# Altium PCB HV_DAC_8ch-DIOT.PCBDOC (part 9 of 11) (continued)
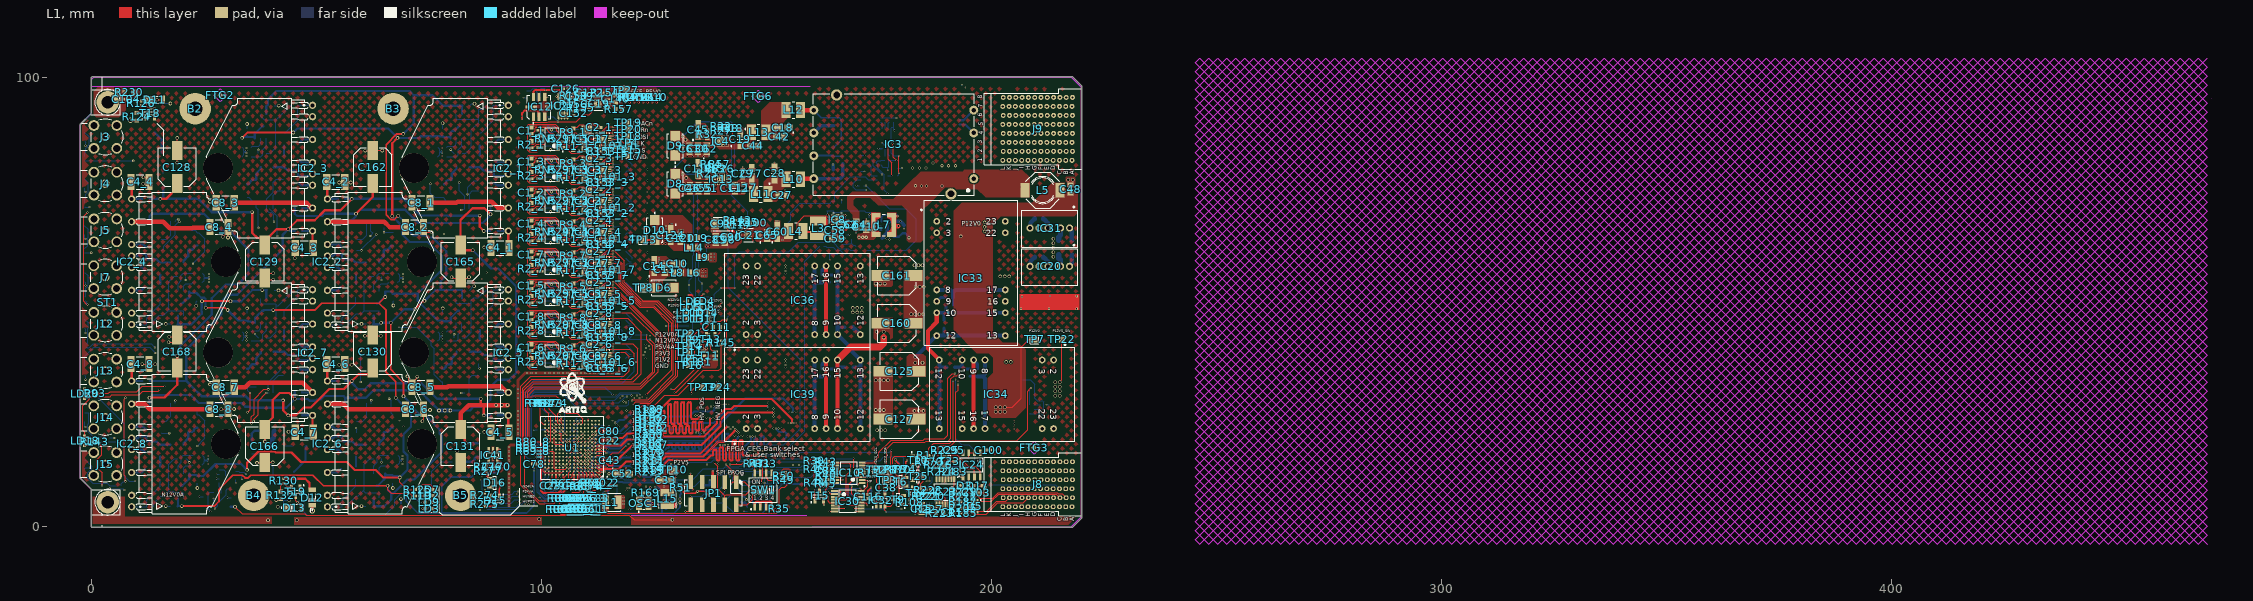
[diagram p0: L1 view]
## Nets (pads, with @x,y where several pads share a name; then routed paths per layer and width w, separated by ;. In a path a pad name is that pad's centre, name@x,y a point inside that pad or via, vN(x,y) a via of type N, cw(c..) or ccw(c..) an arc to the next point about the centre after c; other vN are vias at no path point) (continued)
  L8 w0.127: IC1_4.3@20.47,52.36 20.47,53.665 20.875,54.07 22.296,54.07 R73_4.2@22.576,54.35
NetIC1_4_6: IC1_4.6 R34_4.2 R62_4.1 | length 18.5
  L8 w0.127: R62_4.1@13.8,45 13.8,45.805 15.053,47.057 16.017,47.057 17.07,48.11 ; R34_4.2@19.147,55.7 18.342,55.7 17.123,54.481 17.123,48.163 17.07,48.11 ; IC1_4.6@20.47,46.96 20.47,48.035 20.396,48.11 17.07,48.11
NetIC1_5_2: IC1_5.2 R34_5.1 R58_5.2 | length 6.8
  L8 w0.127: R58_5.2@78.924,41.352 81.124,41.352 81.539,41.767 81.539,42.882 82.303,43.646 R34_5.1@82.353,43.646 82.3,43.699 IC1_5.2@82.3,45.386
NetIC1_5_3: IC1_5.3 R73_5.2 R113_5.2 | length 3.7
  L8 w0.127: R73_5.2@78.924,43.396 79.204,43.676 80.625,43.676 80.973,44.024 80.973,44.249 81.03,44.306 IC1_5.3@81.03,45.386
NetIC1_5_6: IC1_5.6 R34_5.2 R62_5.1 | length 18.5
  L8 w0.127: IC1_5.6@81.03,50.786 81.03,49.706 84.377,49.706 ; R34_5.2@82.353,42.046 83.158,42.046 84.377,43.265 84.377,49.706 ; R62_5.1@87.7,52.746 87.7,52.671 87.338,52.309 87.263,52.309 85.962,51.008 84.882,51.008 84.377,50.503 84.377,49.706
NetIC1_6_2: IC1_6.2 R34_6.1 R58_6.2 | length 6.8
  L8 w0.127: IC1_6.2@62.7,11.86 62.7,13.547 R34_6.1@62.647,13.6 62.697,13.6 63.461,14.363 63.461,15.479 63.876,15.894 R58_6.2@66.076,15.894
NetIC1_6_3: IC1_6.3 R73_6.2 R113_6.2 | length 3.7
  L8 w0.127: IC1_6.3@63.97,11.86 63.97,13.165 64.375,13.57 65.796,13.57 R73_6.2@66.076,13.85
NetIC1_6_6: IC1_6.6 R34_6.2 R62_6.1 | length 18.5
  L8 w0.127: R62_6.1@57.3,4.5 57.3,5.305 58.848,6.853 59.194,6.853 60.383,8.042 ; R34_6.2@62.647,15.2 61.842,15.2 60.623,13.981 60.623,8.282 60.383,8.042 ; IC1_6.6@63.97,6.46 63.97,7.535 63.896,7.61 60.816,7.61 60.383,8.042
NetIC1_7_2: IC1_7.2 R34_7.1 R58_7.2 | length 6.8
  L8 w0.127: R58_7.2@35.424,41.352 37.624,41.352 38.039,41.767 38.039,42.882 38.803,43.646 R34_7.1@38.853,43.646 38.8,43.699 IC1_7.2@38.8,45.386
NetIC1_7_3: IC1_7.3 R73_7.2 R113_7.2 | length 3.7
  L8 w0.127: R73_7.2@35.424,43.396 35.704,43.676 37.125,43.676 37.473,44.024 37.473,44.249 37.53,44.306 IC1_7.3@37.53,45.386
NetIC1_7_6: IC1_7.6 R34_7.2 R62_7.1 | length 18.5
  L8 w0.127: IC1_7.6@37.53,50.786 37.53,49.734 37.604,49.66 40.756,49.66 41.017,49.399 41.017,49.173 ; R34_7.2@38.853,42.046 39.658,42.046 41.017,43.405 41.017,49.173 ; R62_7.1@44.2,52.746 44.2,51.941 41.432,49.173 41.017,49.173
NetIC1_8_2: IC1_8.2 R34_8.1 R58_8.2 | length 6.8
  L8 w0.127: IC1_8.2@19.2,11.86 19.2,13.547 R34_8.1@19.147,13.6 19.197,13.6 19.961,14.363 19.961,15.479 20.376,15.894 R58_8.2@22.576,15.894
NetIC1_8_3: IC1_8.3 R73_8.2 R113_8.2 | length 3.7
  L8 w0.127: IC1_8.3@20.47,11.86 20.47,13.165 20.875,13.57 22.296,13.57 R73_8.2@22.576,13.85
NetIC1_8_6: IC1_8.6 R34_8.2 R62_8.1 | length 18.5
  L8 w0.127: R62_8.1@13.8,4.5 13.8,5.305 15.348,6.853 16.193,6.853 17.123,7.782 ; R34_8.2@19.147,15.2 18.342,15.2 17.123,13.981 17.123,7.782 ; IC1_8.6@20.47,6.46 20.47,7.54 20.265,7.744 18.256,7.744 18.108,7.892 17.233,7.892 17.123,7.782
NetIC2_1_1: IC2_1.1 R62_1.2 R115_1.1 | length 10.9
  L8 w0.127: R115_1.1@86.25,87.646 86.575,87.646 89.3,90.371 R62_1.2@89.3,93.746 IC2_1.1@92.611,93.746
NetIC2_1_7: IC2_1.7 R105_1.1 R106_1.2 R116_1.2 | length 10
  L8 w0.512: R105_1.1@84.004,79.939 86.382,79.939 87.092,79.229 89.071,79.229 89.371,78.929 89.371,78.174 R106_1.2@89.5,78.046 91.767,78.046 92.019,78.298 92.403,78.298 IC2_1.7@92.611,78.506
NetIC2_1_8: IC2_1.8 R106_1.1 | length 3.3
  L8 w0.512: R106_1.1@89.5,76.446 89.55,76.446 90.03,75.966 IC2_1.8@92.611,75.966
NetIC2_2_1: IC2_2.1 R62_2.2 R115_2.1 | length 10.7
  L8 w0.127: IC2_2.1@52.389,45 R62_2.2@55.7,45 55.7,46.487 58.75,49.537 R115_2.1@58.75,51.1
NetIC2_2_7: IC2_2.7 R105_2.1 R106_2.2 R116_2.2 | length 10
  L8 w0.512: IC2_2.7@52.389,60.24 53.704,60.24 54.164,60.7 R106_2.2@55.5,60.7 55.629,60.571 55.629,59.816 55.929,59.516 57.908,59.516 58.618,58.807 R105_2.1@60.996,58.807
NetIC2_2_8: IC2_2.8 R106_2.1 | length 3.3
  L8 w0.512: IC2_2.8@52.389,62.78 54.97,62.78 55.45,62.3 R106_2.1@55.5,62.3
NetIC2_3_1: IC2_3.1 R62_3.2 R115_3.1 | length 10.9
  L8 w0.127: R115_3.1@42.75,87.646 43.075,87.646 45.8,90.371 R62_3.2@45.8,93.746 IC2_3.1@49.111,93.746
NetIC2_3_7: IC2_3.7 R105_3.1 R106_3.2 R116_3.2 | length 10
  L8 w0.512: R105_3.1@40.504,79.939 42.882,79.939 43.592,79.229 45.571,79.229 45.871,78.929 45.871,78.174 R106_3.2@46,78.046 48.267,78.046 48.519,78.298 48.903,78.298 IC2_3.7@49.111,78.506
NetIC2_3_8: IC2_3.8 R106_3.1 | length 3.3
  L8 w0.512: R106_3.1@46,76.446 46.05,76.446 46.53,75.966 IC2_3.8@49.111,75.966
NetIC2_4_1: IC2_4.1 R62_4.2 R115_4.1 | length 10.7
  L8 w0.127: IC2_4.1@8.889,45 R62_4.2@12.2,45 12.2,46.487 15.25,49.537 R115_4.1@15.25,51.1
NetIC2_4_7: IC2_4.7 R105_4.1 R106_4.2 R116_4.2 | length 10
  L8 w0.512: IC2_4.7@8.889,60.24 10.204,60.24 10.664,60.7 R106_4.2@12,60.7 12.129,60.571 12.129,59.816 12.429,59.516 14.408,59.516 15.118,58.807 R105_4.1@17.496,58.807
NetIC2_4_8: IC2_4.8 R106_4.1 | length 3.3
  L8 w0.512: IC2_4.8@8.889,62.78 11.47,62.78 11.95,62.3 R106_4.1@12,62.3
NetIC2_5_1: IC2_5.1 R62_5.2 R115_5.1 | length 10.9
  L8 w0.127: R115_5.1@86.25,46.646 86.575,46.646 89.3,49.371 R62_5.2@89.3,52.746 IC2_5.1@92.611,52.746
NetIC2_5_7: IC2_5.7 R105_5.1 R106_5.2 R116_5.2 | length 10
  L8 w0.512: R105_5.1@84.004,38.939 86.382,38.939 87.092,38.229 89.071,38.229 89.371,37.929 89.371,37.174 R106_5.2@89.5,37.046 91.767,37.046 92.019,37.298 92.403,37.298 IC2_5.7@92.611,37.506
NetIC2_5_8: IC2_5.8 R106_5.1 | length 3.3
  L8 w0.512: R106_5.1@89.5,35.446 89.55,35.446 90.03,34.966 IC2_5.8@92.611,34.966
NetIC2_6_1: IC2_6.1 R62_6.2 R115_6.1 | length 10.7
  L8 w0.127: IC2_6.1@52.389,4.5 R62_6.2@55.7,4.5 55.7,5.987 58.75,9.037 R115_6.1@58.75,10.6
NetIC2_6_7: IC2_6.7 R105_6.1 R106_6.2 R116_6.2 | length 10
  L8 w0.512: IC2_6.7@52.389,19.74 53.704,19.74 54.164,20.2 R106_6.2@55.5,20.2 55.629,20.071 55.629,19.316 55.929,19.016 57.908,19.016 58.618,18.307 R105_6.1@60.996,18.307
NetIC2_6_8: IC2_6.8 R106_6.1 | length 3.3
  L8 w0.512: IC2_6.8@52.389,22.28 53.694,22.28 54.174,21.8 R106_6.1@55.5,21.8
NetIC2_7_1: IC2_7.1 R62_7.2 R115_7.1 | length 10.7
  L8 w0.127: R115_7.1@42.75,46.646 42.75,48.208 45.8,51.258 R62_7.2@45.8,52.746 IC2_7.1@49.111,52.746
NetIC2_7_7: IC2_7.7 R105_7.1 R106_7.2 R116_7.2 | length 10
  L8 w0.512: R105_7.1@40.504,38.939 42.882,38.939 43.592,38.229 45.571,38.229 45.871,37.929 45.871,37.174 R106_7.2@46,37.046 48.267,37.046 48.519,37.298 48.903,37.298 IC2_7.7@49.111,37.506
NetIC2_7_8: IC2_7.8 R106_7.1 | length 3.3
  L8 w0.512: R106_7.1@46,35.446 46.05,35.446 46.53,34.966 IC2_7.8@49.111,34.966
NetIC2_8_1: IC2_8.1 R62_8.2 R115_8.1 | length 10.7
  L8 w0.127: IC2_8.1@8.889,4.5 R62_8.2@12.2,4.5 12.2,5.987 15.25,9.037 R115_8.1@15.25,10.6
NetIC2_8_7: IC2_8.7 R105_8.1 R106_8.2 R116_8.2 | length 10
  L8 w0.512: IC2_8.7@8.889,19.74 10.204,19.74 10.664,20.2 R106_8.2@12,20.2 12.129,20.071 12.129,19.316 12.429,19.016 14.408,19.016 15.118,18.307 R105_8.1@17.496,18.307
NetIC2_8_8: IC2_8.8 R106_8.1 | length 3.3
  L8 w0.512: IC2_8.8@8.889,22.28 11.47,22.28 11.95,21.8 R106_8.1@12,21.8
NetIC3_2: IC3.2 R8.2 | length 4
  L8 w0.508: R8.2@192.913,89.464 194.215,89.464 IC3.2@196.088,87.592
NetIC3_6: IC3.6 R7.1 R19.2 | length 6.5
  L8 w0.381: IC3.6@160.528,82.512 160.604,82.588 R19.2@164.811,82.588 165.006,82.393 R7.1@166.93,82.393
NetIC4_4: IC4.4 IC13.4 R52.2 T5.1 | length 208.4
  L1 w0.127: IC4.4@141.3,86.025 142.025,86.025 142.2,86.2 v1(142.6,86.2) ; IC13.4@141.4,77.8 142.125,77.8 142.3,77.975 v1(142.7,77.975)
  L3 w0.1: v1(34.3,11.7) 41.7,11.7 43,10.4 53.3,10.4 55.7,12.8 83.2,12.8 88.8,18.4 88.8,25.4 88.3,25.9 88.3,30.6 89.5,31.8 94.7,31.8 95.8,32.9 95.8,35.7 v1(96.1,36)
  L6 w0.1: v1(96.1,36) 96.1,88.5 97.7,90.1 97.7,95 101.546,98.846 131.254,98.846 141.5,88.6 141.5,87.3 v1(142.6,86.2)
  L8 w0.1: T5.1@32.05,12.35 32.066,12.334 32.666,12.334 32.83,12.17 R52.2@33.4,12.17 33.83,12.17 v1(34.3,11.7)
  L8 w0.127: v1(142.6,86.2) 143,85.8 143,78.275 v1(142.7,77.975)
NetIC4_5: IC4.5 R18.2 R38.1 | length 3.5
  L1 w0.25: IC4.5@141.3,86.475 141.975,86.475 142.5,87 R18.2@142.5,88.13 R38.1@141.5,88.13
NetIC4_6: IC4.6 R27.2 | length 1.5
  L1 w0.25: R27.2@140.47,88.1 140.47,88.08 140.635,87.915 140.655,87.915 141.291,87.279 141.291,86.925 IC4.6@141.3,86.925
NetIC7_5: IC7.5 R90.2 | length 1.7
  L8 w0.127: R90.2@175.44,90.015 175.46,90.015 175.687,89.788 175.687,89.768 175.76,89.694 IC7.5@175.76,88.494
NetIC7_6: IC7.6 R91.2 | length 1.5
  L8 w0.127: IC7.6@176.41,88.494 R91.2@176.41,89.984
NetIC7_7: IC7.7 R92.2 | length 1.6
  L8 w0.127: IC7.7@177.06,88.494 177.06,89.729 177.315,89.984 R92.2@177.335,89.984
NetIC8_5: IC8.5 R24.1 R28.2 | length 6.3
  L1 w0.15: IC8.5@166.838,69.332 167.405,69.332 cw(c167.405,69.049) v1(167.605,69.249)
  L8 w0.15: R24.1@165.878,64.982 R28.2@166.863,64.982 166.863,65.598 167.605,66.34 v1(167.605,69.249)
NetIC13_5: IC13.5 R26.2 | length 1.5
  L1 w0.254: R26.2@140.97,79.6 140.97,79.03 141.318,78.682 141.318,78.323 141.341,78.3 IC13.5@141.4,78.3
NetIC13_6: IC13.6 R63.1 R64.2 | length 2.4
  L1 w0.3: R64.2@138.17,80.6 138.17,79.03 138.4,78.8 IC13.6@138.4,78.3
NetIC14_1_2: IC14_1.2 R118_1.2 | length 5.7
  L8 w0.127: R118_1.2@83.877,70.795 83.877,72.512 84.01,72.645 84.01,74.115 84.627,74.732 IC14_1.2@86.067,74.732
NetIC14_1_6: IC14_1.6 R72_1.1 R105_1.2 | length 5.4
  L8 w0.512: R72_1.1@78.36,76.182 78.833,76.655 78.833,76.843 79.133,77.143 79.939,77.143 IC14_1.6@80.067,77.272 80.067,78.577 81.104,79.614 R105_1.2@81.104,79.939
NetIC14_2_2: IC14_2.2 R118_2.2 | length 5.6
  L8 w0.127: IC14_2.2@58.933,64.014 60.3,64.014 61.123,64.837 R118_2.2@61.123,67.951
NetIC14_2_6: IC14_2.6 R72_2.1 R105_2.2 | length 5.7
  L8 w0.512: R105_2.2@63.896,58.807 63.896,59.132 64.933,60.169 IC14_2.6@64.933,61.474 65.061,61.602 65.867,61.602 66.167,61.902 66.167,61.996 66.321,62.151 66.321,62.245 66.64,62.564 R72_2.1@66.965,62.564
NetIC14_3_2: IC14_3.2 R118_3.2 | length 5.6
  L8 w0.127: R118_3.2@40.377,70.795 40.377,73.762 41.346,74.732 IC14_3.2@42.567,74.732
NetIC14_3_6: IC14_3.6 R72_3.1 R105_3.2 | length 5.7
  L8 w0.512: R72_3.1@34.535,76.182 34.86,76.182 35.179,76.501 35.179,76.646 35.333,76.801 35.333,76.843 35.633,77.143 36.439,77.143 IC14_3.6@36.567,77.272 36.567,78.577 37.604,79.614 R105_3.2@37.604,79.939
NetIC14_4_2: IC14_4.2 R118_4.2 | length 5.6
  L8 w0.127: IC14_4.2@15.433,64.014 16.732,64.014 17.623,64.905 R118_4.2@17.623,67.951
NetIC14_4_6: IC14_4.6 R72_4.1 R105_4.2 | length 5.7
  L8 w0.512: R105_4.2@20.396,58.807 20.396,59.132 21.433,60.169 IC14_4.6@21.433,61.474 21.561,61.602 22.367,61.602 22.667,61.902 22.667,61.996 22.821,62.151 22.821,62.245 23.14,62.564 R72_4.1@23.465,62.564
NetIC14_5_2: IC14_5.2 R118_5.2 | length 5.7
  L8 w0.127: R118_5.2@83.877,29.795 83.877,33.06 84.548,33.732 IC14_5.2@86.067,33.732
NetIC14_5_6: IC14_5.6 R72_5.1 R105_5.2 | length 5.7
  L8 w0.512: R72_5.1@78.035,35.182 78.36,35.182 78.679,35.501 78.679,35.646 78.833,35.801 78.833,35.843 79.133,36.143 79.939,36.143 IC14_5.6@80.067,36.272 80.067,37.577 81.104,38.614 R105_5.2@81.104,38.939
NetIC14_6_2: IC14_6.2 R118_6.2 | length 5.6
  L8 w0.127: IC14_6.2@58.933,23.514 60.221,23.514 61.123,24.416 R118_6.2@61.123,27.451
NetIC14_6_6: IC14_6.6 R72_6.1 R105_6.2 | length 5.7
  L8 w0.512: R105_6.2@63.896,18.307 63.896,18.632 64.933,19.669 IC14_6.6@64.933,20.974 65.061,21.102 65.867,21.102 66.167,21.402 66.167,21.496 66.321,21.651 66.321,21.745 66.64,22.064 R72_6.1@66.965,22.064
NetIC14_7_2: IC14_7.2 R118_7.2 | length 5.4
  L8 w0.127: R118_7.2@40.377,29.795 40.377,32.517 41.592,33.732 IC14_7.2@42.567,33.732
NetIC14_7_6: IC14_7.6 R72_7.1 R105_7.2 | length 5.7
  L8 w0.512: R72_7.1@34.535,35.182 34.86,35.182 35.179,35.501 35.179,35.646 35.333,35.801 35.333,35.843 35.633,36.143 36.439,36.143 IC14_7.6@36.567,36.272 36.567,37.577 37.604,38.614 R105_7.2@37.604,38.939
NetIC14_8_2: IC14_8.2 R118_8.2 | length 5.5
  L8 w0.127: IC14_8.2@15.433,23.514 16.556,23.514 17.623,24.581 R118_8.2@17.623,27.451
NetIC14_8_6: IC14_8.6 R72_8.1 R105_8.2 | length 5.7
  L8 w0.512: R105_8.2@20.396,18.307 20.396,18.632 21.433,19.669 IC14_8.6@21.433,20.974 21.561,21.102 22.367,21.102 22.667,21.402 22.667,21.496 22.821,21.651 22.821,21.745 23.14,22.064 R72_8.1@23.465,22.064
NetIC18_5: IC18.5 R381.1 R382.2 | length 2.8
  L8 w0.127: R381.1@123.25,7.28 123.28,7.25 124.75,7.25 125.05,6.95 IC18.5@125.95,6.95
NetIC19_5: IC19.5 R155.2 | length 1.8
  L1 w0.203: R155.2@108.7,92.73 108.72,92.73 108.908,92.918 108.908,92.938 109.07,93.1 IC19.5@110.3,93.1
NetIC21_6: IC21.6 R100.1 R135.2 | length 3.6
  L1 w0.254: IC21.6@143.8,65.9 143.823,65.923 144.398,65.923 145.1,66.625 R135.2@145.1,67.23 145.12,67.23 145.283,67.393 145.283,67.413 145.47,67.6 R100.1@146.3,67.6
NetIC22_4: IC22.4 R104.2 R151.1 | length 4
  L8 w0.381: R104.2@172.896,67.841 R151.1@172.896,66.911 172.972,66.834 173.777,66.834 173.995,66.616 174.596,66.016 IC22.4@175.556,66.016
NetIC23_1: IC23.1 IC23.11 R183.1 R220.1 R221.1 | length 12.9
  L1 w0.15: R221.1@185.5,7.27 R220.1@186.5,7.27 188.93,7.27 ; IC23.11@189.8,4.9 189.8,6.4 188.93,7.27 ; R183.1@191.97,12.3 191.97,11.77 191.762,11.562 191.762,10.712 IC23.1@191.75,10.7 191.75,9.25 191.1,8.6 190.26,8.6 188.93,7.27
NetIC23_8: IC23.8 R223.1 R227.1 | length 3.4
  L1 w0.15: R227.1@186.2,3.1 R223.1@187.7,3.1 187.737,3.137 187.737,3.737 187.85,3.85 IC23.8@187.85,4.9
NetIC23_9: IC23.9 IC23.10 R220.2 R221.2 R223.2 | length 8.1
  L1 w0.15: R221.2@185.5,6.33 R220.2@186.5,6.33 188.22,6.33 188.5,6.05 ; IC23.9@188.5,4.9 188.5,6.05 ; R223.2@189.3,3.1 189.263,3.137 189.263,3.737 189.15,3.85 IC23.10@189.15,4.9 189.15,6.05 189,6.2 188.65,6.2 188.5,6.05
NetIC24_4: IC24.4 R225.2 | length 10.9
  L1 w0.127: R225.2@190.27,17.1 190.27,16.43 190.6,16.1 192.3,16.1 194.9,13.5 196.4,13.5 197.505,12.395 IC24.4@197.505,11.1
NetIC29_5: IC29.5 R234.1 R237.2 | length 9.5
  L1 w0.127: v1@114,8 114.75,8 115,8.25 115,9 115.5,9.5 116.198,9.5 116.448,9.25 116.75,9.25 v1(116.8,9.3)
  L8 w0.127: R237.2@112.274,7.304 R237.2@112.5,7.53 112.53,7.5 R234.1@113.5,7.5 ; R234.1@113.5,7.53 113.52,7.53 113.893,7.903 113.995,7.903 v1(114.047,7.955) ; IC29.5@116.7,6.05 116.5,6.25 116.5,7.156 116.8,7.456 v1(116.8,9.3)
NetIC33_8: IC33.8 IC33.17 R127.2 R134.2 | length 20.2
  L8 w0.5: R134.2@191.48,49.31 R127.2@191.48,51.01 R134.2@191.48,49.31
  L8 w0.9: IC33.8@187.86,52.7 190.953,52.7 191.48,52.173 ; R127.2@191.48,51.01 191.48,52.173 ; IC33.17@203.1,52.7 192.007,52.7 191.48,52.173
NetIC33_9: IC33.9 IC33.16 R127.1 | length 17.6
  L6 w0.9: IC33.9@187.86,50.16 IC33.16@203.1,50.16
  L8 w0.7: IC33.9@187.86,50.16 188.71,51.01 R127.1@189.88,51.01
NetIC34_8: IC34.8 IC34.17 R136.2 R137.2 | length 18.5
  L8 w0.5: R137.2@195.2,33.5 R136.2@196.9,33.5
  L8 w0.9: R136.2@196.9,33.5 198.063,33.5 ; IC34.17@198.59,21.88 198.59,32.973 198.063,33.5 ; IC34.8@198.59,37.12 198.59,34.027 198.063,33.5
NetIC34_9: IC34.9 IC34.16 R136.1 | length 17.6
  L1 w0.9: IC34.16@196.05,21.88 IC34.9@196.05,37.12
  L8 w0.7: IC34.9@196.05,37.12 196.9,36.27 R136.1@196.9,35.1
NetIC36_8: IC36.8 IC36.17 R141.2 R144.2 | length 18.5
  L8 w0.5: R141.2@162.41,54.4 R144.2@164.11,54.4
  L8 w0.9: IC36.8@160.72,42.78 160.72,53.873 161.247,54.4 ; IC36.17@160.72,58.02 160.72,54.927 161.247,54.4 ; R141.2@162.41,54.4 161.247,54.4
NetIC36_9: IC36.9 IC36.16 R141.1 | length 17.6
  L1 w0.9: IC36.9@163.26,42.78 IC36.16@163.26,58.02
  L8 w0.7: R141.1@162.41,56 162.41,57.17 IC36.16@163.26,58.02
NetIC37_1_1: IC37_1.1 R153_1.1 | length 2.9
  L1 w0.127: IC37_1.1@112.935,84.448 IC37_1.1@112.935,84.668
  L1 w0.152: IC37_1.1@112.935,84.448 112.935,84.418 113.293,84.06 114.623,84.06 114.933,83.751 114.953,83.751 115.166,83.537 R153_1.1@115.166,83.517
NetIC37_2_1: IC37_2.1 R153_2.1 | length 2.9
  L1 w0.127: IC37_2.1@112.935,70.675 IC37_2.1@112.935,70.895
  L1 w0.152: IC37_2.1@112.935,70.675 112.935,70.645 113.293,70.287 114.623,70.287 114.933,69.978 114.953,69.978 115.166,69.764 R153_2.1@115.166,69.744
NetIC37_3_1: IC37_3.1 R153_3.1 | length 2.9
  L1 w0.127: IC37_3.1@112.935,77.562 IC37_3.1@112.935,77.781
  L1 w0.152: IC37_3.1@112.935,77.562 112.935,77.531 113.293,77.174 114.623,77.174 114.933,76.864 114.953,76.864 115.166,76.65 R153_3.1@115.166,76.63
NetIC37_4_1: IC37_4.1 R153_4.1 | length 2.9
  L1 w0.127: IC37_4.1@112.935,63.789 IC37_4.1@112.935,64.008
  L1 w0.152: IC37_4.1@112.935,63.789 112.935,63.758 113.293,63.401 114.623,63.401 114.933,63.091 114.953,63.091 115.166,62.877 R153_4.1@115.166,62.857
NetIC37_5_1: IC37_5.1 R153_5.1 | length 2.9
  L1 w0.127: IC37_5.1@112.935,50.015 IC37_5.1@112.935,50.235
  L1 w0.152: IC37_5.1@112.935,50.015 112.935,49.985 113.293,49.627 114.623,49.627 114.933,49.318 114.953,49.318 115.166,49.104 R153_5.1@115.166,49.084
NetIC37_6_1: IC37_6.1 R153_6.1 | length 2.9
  L1 w0.127: IC37_6.1@112.935,36.242 IC37_6.1@112.935,36.462
  L1 w0.152: IC37_6.1@112.935,36.242 112.935,36.212 113.293,35.854 114.623,35.854 114.933,35.545 114.953,35.545 115.166,35.331 R153_6.1@115.166,35.311
NetIC37_7_1: IC37_7.1 R153_7.1 | length 2.9
  L1 w0.127: IC37_7.1@112.935,56.902 IC37_7.1@112.935,57.121
  L1 w0.152: IC37_7.1@112.935,56.902 112.935,56.871 113.293,56.514 114.623,56.514 114.933,56.205 114.953,56.205 115.166,55.991 R153_7.1@115.166,55.971
NetIC37_8_1: IC37_8.1 R153_8.1 | length 2.9
  L1 w0.127: IC37_8.1@112.935,43.129 IC37_8.1@112.935,43.348
  L1 w0.152: IC37_8.1@112.935,43.129 112.935,43.098 113.293,42.741 114.623,42.741 114.933,42.431 114.953,42.431 115.166,42.218 R153_8.1@115.166,42.198
NetIC39_8: IC39.8 IC39.17 R149.2 R168.2 | length 18.5
  L8 w0.5: R149.2@162.41,33.5 R168.2@164.11,33.5
  L8 w0.9: IC39.8@160.72,21.88 160.72,32.973 161.247,33.5 ; IC39.17@160.72,37.12 160.72,34.027 161.247,33.5 ; R149.2@162.41,33.5 161.247,33.5
NetIC39_9: IC39.9 IC39.16 R149.1 | length 17.6
  L1 w0.9: IC39.9@163.26,21.88 IC39.16@163.26,37.12
  L8 w0.7: R149.1@162.41,35.1 162.41,36.27 IC39.16@163.26,37.12
NetLD1_1: LD1.1 R55.2 | length 41.3
  L3 w0.127: v1(5.9,19) 6.4,19 7.1,18.3 7.1,16 7.5,15.6 16.4,15.6 20.5,19.7 24.4,19.7 24.9,19.2 24.9,13.96 27.13,11.73 v1(27.8,11.73)
  L8 w0.1: v1(27.8,11.73) R55.2@28.4,11.73
  L8 w0.127: LD1.1@-1.6,20.194 -0.393,20.194 0.8,19 v1(5.9,19)
NetLD2_2: LD2.2 R119.1 | length 1.2
  L1 w0.2: R119.1@72.97,6.9 LD2.2@74.175,6.9
NetLD3_2: LD3.2 R121.1 | length 16
  L1 w0.2: v1(73.5,4.1) LD3.2@74.175,4.1
  L8 w0.2: v1(73.5,4.1) 74.7,4.1 75.6,5 75.6,12.4 77.7,14.5 R121.1@80.15,14.5
NetLD4_2: LD4.2 R20.1 | length 1.6
  L1 w0.2: LD4.2@137.025,50.2 v1(137.7,50.2)
  L8 w0.2: R20.1@136.77,50.2 v1(137.7,50.2)
NetLD5_2: LD5.2 R21.1 | length 1.6
  L1 w0.2: v1(131.7,48.9) LD5.2@132.375,48.9
  L8 w0.2: v1(131.7,48.9) R21.1@132.63,48.9
NetLD6_1: LD6.1 R61.1 | length 1.6
  L1 w0.2: v1(131.7,50.2) LD6.1@132.375,50.2
  L8 w0.2: v1(131.7,50.2) R61.1@132.63,50.2
NetLD7_1: LD7.1 R125.1 | length 4.5
  L1 w0.2: R125.1@72.97,8.3 72.97,8.87 73.6,9.5 75.2,9.5 75.817,8.883 LD7.1@75.817,8.308
NetLD8_2: LD8.2 R29.2 | length 1.6
  L1 w0.2: LD8.2@137.025,48.9 v1(137.7,48.9)
  L8 w0.2: R29.2@136.77,48.9 v1(137.7,48.9)
NetLD9_1: LD9.1 R131.2 | length 48.2
  L1 w0.2: LD9.1@75.825,5.5 v1(76.5,5.5)
  L3 w0.2: v1(40.9,10.1) 41.6,9.4 62.8,9.4 63.5,10.1 71.9,10.1 v1(76.5,5.5)
  L8 w0.2: R131.2@35.6,16.25 37.47,16.25 40.4,13.32 40.4,10.6 v1(40.9,10.1)
NetLD10_2: LD10.2 R159.2 | length 1.6
  L1 w0.2: v1(131.7,47.6) LD10.2@132.375,47.6
  L8 w0.2: v1(131.7,47.6) R159.2@132.63,47.6
NetLD11_2: LD11.2 R160.2 | length 1.6
  L1 w0.2: LD11.2@137.025,46.3 v1(137.7,46.3)
  L8 w0.2: R160.2@136.77,46.3 v1(137.7,46.3)
NetLD13_2: LD13.2 R152.1 | length 1.7
  L1 w0.2: v1(131.7,46.3) LD13.2@132.375,46.3
  L8 w0.2: v1(131.7,46.3) R152.1@132.7,46.3
NetLD14_1: LD14.1 T1.3 | length 6.4
  L1 w0.2: LD14.1@135.375,47.6 135.675,47.9 135.7,47.9 136.027,48.227 138.427,48.227 v1(140.1,49.9)
  L8 w0.2: v1(140.1,49.9) T1.3@140.1,50.65
NetLD14_2: LD14.2 R54.2 | length 1.6
  L1 w0.2: LD14.2@137.025,47.6 v1(137.7,47.6)
  L8 w0.2: R54.2@136.77,47.6 v1(137.7,47.6)
NetLD15_1: LD15.1 R278.1 | length 6.2
  L8 w0.127: R278.1@-1.524,82.385 -1.524,83.162 -1.278,83.408 -1.278,84.205 -0.909,84.574 -0.909,84.727 -0.541,85.095 -0.541,86.77 -0.952,87.181 -1.021,87.181 -1.5,87.66 LD15.1@-1.5,87.71
NetLD16_1: LD16.1 R279.1 | length 5.9
  L8 w0.127: R279.1@-1.524,72.098 -1.524,72.878 -1.278,73.125 -1.278,73.925 -0.76,74.443 -0.76,76.602 -0.952,76.794 -1.021,76.794 -1.5,77.273 LD16.1@-1.5,77.323
NetLD17_1: LD17.1 R280.1 | length 5.7
  L8 w0.127: R280.1@-1.524,61.938 -1.504,61.938 -0.916,62.526 -0.916,64.292 -0.76,64.448 -0.76,66.214 -0.952,66.407 -1.021,66.407 -1.5,66.886 LD17.1@-1.5,66.936
NetLD18_1: LD18.1 R143.2 | length 2.2
  L1 w0.15: LD18.1@-1.6,18.193 -0.907,18.193 -0.197,18.903 0.133,18.903 R143.2@0.23,19
NetLD20_2: LD20.2 R93.1 | length 2.3
  L1 w0.15: LD20.2@-1.6,30.581 -0.98,30.581 -0.1,29.7 R93.1@0.33,29.7
NetLD21_1: LD21.1 R281.1 | length 5.9
  L8 w0.127: LD21.1@-1.5,56.548 -1.5,56.498 -1.021,56.02 -0.952,56.02 -0.76,55.827 -0.76,53.939 -0.916,53.783 -0.916,53.482 -1.364,53.034 -1.364,51.255 R281.1@-1.399,51.22
NetLD22_1: LD22.1 R282.1 | length 5.9
  L8 w0.127: LD22.1@-1.5,46.161 -1.5,46.111 -1.021,45.632 -0.952,45.632 -0.76,45.44 -0.76,44.317 -0.916,44.161 -0.916,42.932 -0.931,42.917 -0.931,40.969 R282.1@-1.15,40.75
NetLD23_1: LD23.1 R283.1 | length 6.3
  L8 w0.127: LD23.1@-1.5,35.774 -1.5,38 0.4,39.9 R283.1@1.83,39.9
NetLD24_1: LD24.1 R284.1 | length 9.7
  L8 w0.127: LD24.1@-1.5,25.387 -0.746,25.387 -0.638,25.279 -0.638,23.052 -0.916,22.775 -0.916,22.067 -0.931,22.052 -0.931,21.271 0.294,20.046 2.454,20.046 2.7,19.8 R284.1@3.086,19.8
NetLD25_1: LD25.1 R285.1 | length 12.5
  L8 w0.127: LD25.1@-1.5,14.95 -1.021,14.471 -0.952,14.471 0.036,13.483 0.036,12.982 -0.222,12.724 -0.242,12.724 -0.931,12.036 -0.931,10.884 0.194,9.76 3.441,9.76 4.056,9.144 R285.1@5.672,9.144
NetOSC1_3: OSC1.3 R169.1 | length 1.5
  L1 w0.127: R169.1@123.662,7.571 123.662,6.253 OSC1.3@123.76,6.155
NetR17_1: R17.1 T11.3 T13.3 | length 4.9
  L1 w0.2: R17.1@135.325,41.32 136.38,41.32 137.1,40.6 T13.3@137.625,40.6 137.625,39.475 137.95,39.15 138.475,39.15 T11.3@138.625,39
NetR22_1: R22.1 R38.2 | length 1
  L1 w0.25: R22.1@140.47,89.1 141.47,89.1 R38.2@141.5,89.07
NetR23_1: R23.1 T12.3 T14.3 | length 4.4
  L8 w0.2: T14.3@166.7,62.85 167.95,62.85 168.1,63 168.9,63 168.93,62.97 ; R23.1@168.93,64 168.93,62.97 ; T12.3@169.8,62.45 169.65,62.6 169.3,62.6 168.93,62.97
NetR30_2: R30.2 T16.3 | length 2.5
  L8 w0.1: R30.2@28.4,9.83 28.4,8.9 28.75,8.55 T16.3@28.75,7.5
NetR33_2: R33.2 R49.1 SW1.6 | length 6.4
  L1 w0.127: R33.2@149.911,13.627 SW1.6@149.911,12.04 149.911,10.897 150.444,10.363 R49.1@153.352,10.363
NetR35_2: R35.2 R50.1 SW1.5 | length 15.3
  L1 w0.1: R35.2@152.9,4.57 152.9,8.3 153.4,8.8 154.1,8.8 155.3,10 155.3,12.7 155,13 153.9,13 153.352,12.452 153.352,11.399 R50.1@153.352,11.379
  L1 w0.127: SW1.5@151.181,12.04 152.712,12.04 R50.1@153.352,11.399
NetR57_1: R57.1 R63.2 | length 1
  L1 w0.3: R63.2@139.07,79.6 139.07,80.54 R57.1@139.13,80.6
NetR68_1: R68.1 T3.1 T4.3 | length 5.9
  L8 w0.254: T3.1@171.011,80.738 171.016,80.733 172.039,80.733 172.044,80.738 172.661,80.738 173.311,80.088 T4.3@173.311,78.113 173.326,78.098 174.596,78.098 R68.1@174.611,78.083
NetR70_1: R70.1 T6.1 | length 3.6
  L1 w0.127: R70.1@179.883,12.23 179.903,12.23 180.129,12.004 180.129,11.984 180.2,11.913 180.2,10.73 181.028,9.902 T6.1@181.028,9.122
NetR76_1: R76.1 R77.2 T1.1 | length 2.4
  L8 w0.2: R77.2@139.77,47 R76.1@140.73,47 140.73,47.833 140.847,47.95 140.85,47.95 141.05,48.15 T1.1@141.05,48.35
NetR101_2: R101.2 R103.1 T4.1 | length 6
  L8 w0.254: T4.1@171.011,77.163 170.061,77.163 169.336,76.438 169.336,75.513 169.906,74.943 R101.2@170.636,74.943 R103.1@171.586,74.943 171.597,74.932 172.162,74.932 v1(172.173,74.922)
NetR108_1: R108.1 T9.1 | length 1.4
  L1 w0.127: T9.1@180.469,5.109 180.509,5.068 R108.1@181.877,5.068
NetR115_1_2: R115_1.2 R116_1.1 | length 2.1
  L8 w0.512: R116_1.1@86.25,82.646 R115_1.2@86.25,84.746
NetR115_2_2: R115_2.2 R116_2.1 | length 2.1
  L8 w0.512: R115_2.2@58.75,54 R116_2.1@58.75,56.1
NetR115_3_2: R115_3.2 R116_3.1 | length 2.1
  L8 w0.512: R116_3.1@42.75,82.646 R115_3.2@42.75,84.746
NetR115_4_2: R115_4.2 R116_4.1 | length 2.1
  L8 w0.512: R115_4.2@15.25,54 R116_4.1@15.25,56.1
NetR115_5_2: R115_5.2 R116_5.1 | length 2.1
  L8 w0.512: R116_5.1@86.25,41.646 R115_5.2@86.25,43.746
NetR115_6_2: R115_6.2 R116_6.1 | length 2.1
  L8 w0.512: R115_6.2@58.75,13.5 R116_6.1@58.75,15.6
NetR115_7_2: R115_7.2 R116_7.1 | length 2.1
  L8 w0.512: R116_7.1@42.75,41.646 R115_7.2@42.75,43.746
NetR115_8_2: R115_8.2 R116_8.1 | length 2.1
  L8 w0.512: R115_8.2@15.25,13.5 R116_8.1@15.25,15.6
NetR117_1: R117.1 R142.2 | length 1
  L1 w0.254: R117.1@144.07,67.2 R142.2@144.07,68.2
NetR120_1: R120.1 R123.2 | length 2
  L8 w0.127: R123.2@15.55,80.307 15.882,79.975 R120.1@15.882,78.482
NetR121_2: R121.2 R122.1 | length 3.4
  L8 w0.512: R121.2@83.05,14.5 84.65,14.5 85.156,15.006 85.156,15.331 85.475,15.65 R122.1@85.8,15.65
NetR123_1: R123.1 T17.3 | length 5.1
  L8 w0.5: T17.3@14,87.7 15.55,86.15 R123.1@15.55,83.207
NetR124_1: R124.1 R126.2 T18.1 | length 4.8
  L1 w0.127: R124.1@10,92 R124.1@10.05,92 ; R126.2@11,93.75 11,92.95 R124.1@10.05,92 ; T18.1@12.05,90.85 12.05,91.05 11.1,92 R124.1@10.05,92
NetR128_2: R128.2 R131.1 | length 3.9
  L8 w0.5: R131.1@35.6,19.15 35.6,20.8 36.2,21.4 R128.2@37.65,21.4
NetR129_1: R129.1 R133.2 | length 1.8
  L8 w0.127: R129.1@43.017,18.007 R133.2@44.858,18.007
NetR130_2: R130.2 R132.2 T19.2 | length 4.2
  L1 w0.127: R132.2@42.067,7.84 42.067,9.127 42.7,9.76 42.74,9.76 43.51,8.99 T19.2@44.412,8.99
NetR133_1: R133.1 T20.3 | length 6.8
  L8 w0.5: T20.3@45,12.3 47.525,14.825 47.525,17.774 R133.1@47.758,18.007
NetR167_1: R167.1 R201.2 T22.3 | length 3.6
  L8 w0.2: R201.2@208.5,25.23 208.53,25.2 211.1,25.2 211.417,24.883 211.867,24.883 T22.3@211.9,24.85
NetR167_2: R167.2 T21.4 | length 12
  L8 w0.125: T21.4@207,32.705 208.695,32.705 209.7,31.7 209.7,28.6 210.2,28.1 211.3,28.1 211.6,27.8 211.6,26.4 211.37,26.17 R167.2@209.5,26.17
NetR170_1: R170.1 T10.3 | length 1.4
  L1 w0.1: T10.3@184.85,14.8 185.5,14.8 185.67,14.97 R170.1@186.2,14.97
NetR202_2: R202.2 T22.1 | length 1.5
  L8 w0.2: R202.2@209.47,27.2 210.9,27.2 T22.1@210.95,27.15
NetR226_1: R226.1 T23.3 | length 3.9
  L1 w0.1: R226.1@188.2,14.27 188.22,14.27 188.46,14.51 188.46,14.53 188.63,14.7 190.4,14.7 190.5,14.6 T23.3@191.85,14.6